# Altium PCB 6502_CPU_MainBoard_PCB_V1_2.PcbDoc (part 3 of 5) (continued)
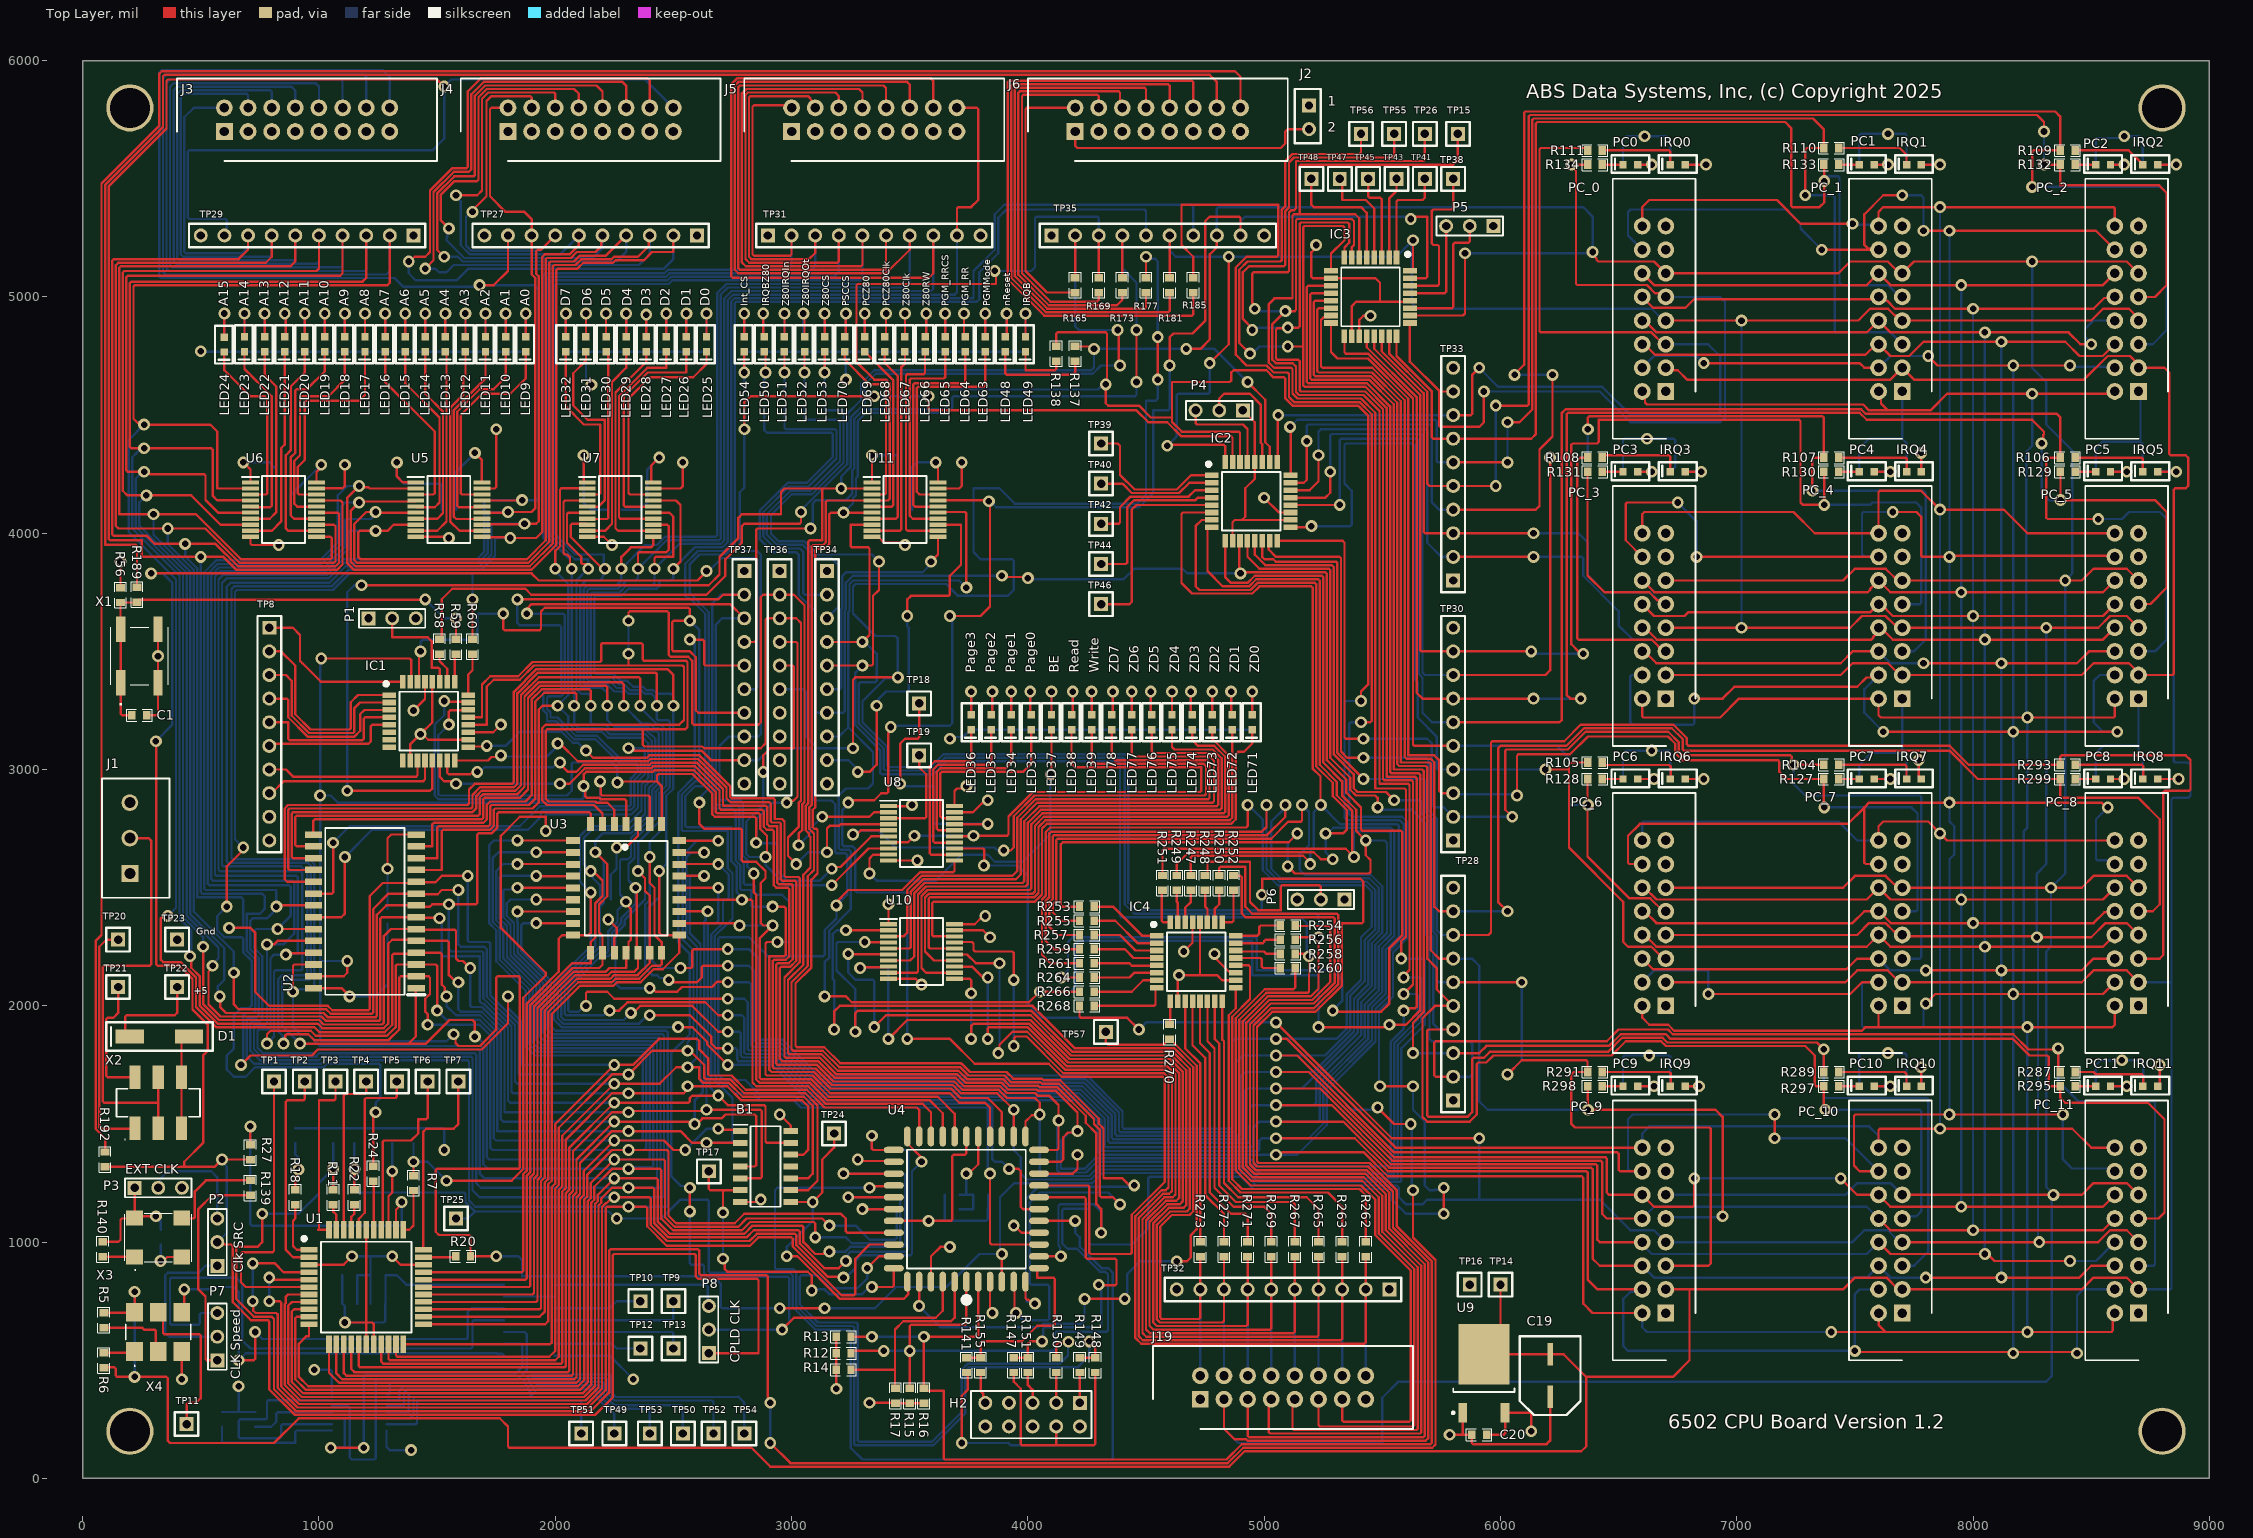
[diagram p0: Top Layer view]
## Nets (pads, with @x,y where several pads share a name; then routed paths per layer and width w, separated by ;. In a path a pad name is that pad's centre, name@x,y a point inside that pad or via, vN(x,y) a via of type N, cw(c..) or ccw(c..) an arc to the next point about the centre after c; other vN are vias at no path point) (continued)
  Bottom Layer w10: v1(2530,2160) 2440,2160 2395.61,2204.39 2395.61,2415.61 2440,2460 v1(2440,2570) 2470,2600 2470,2888.79 2500,2918.79 v1(2500,3270) 2500,3310 2490,3320 2430,3320 2414.39,3335.61 2385.61,3335.61 2371.21,3350 2330,3350 2305,3375 2276.21,3375 2245.61,3405.61 2171.46,3405.61 2165.61,3411.46 2165.61,3728.54 2171.46,3734.39 2279.39,3734.39 2310,3765 2429.14,3765 2440,3775.86 2440,3794.14 2445.86,3800 2490,3800 2500,3810 v1(2500,3850) 2590,3940 2706.57,3940 2730,3963.43 2730,4986.57 2753.43,5010 3690,5010 3700,5020 TP31.9@3700,5260 ; v1(2730,2240) 2820,2240 2860,2200 2860,1862.07 2865.86,1856.21 2962.28,1856.21 3113.49,1705 4249.85,1705 4400.61,1554.25 4400.61,1486.46 4406.46,1480.61 4858.28,1480.61 4864.14,1486.46 4864.14,1848.28 4875.86,1860 v1(5050,1860) 5306.36,1860 5350,1903.64 5350,2050 5410,2110 5410,2290 5455,2335 5455,2483.79 5428.79,2510 5057.57,2510 4993.79,2573.79 4993.79,2788.79 4932.57,2850 v1(4930,2850) ; PC_9.16@6600,1400 6600,1460 6630,1490 7560,1490 7599.57,1450.43 7599.57,1400.43 PC_10.16@7600,1400 ; PC_6.16@6600,2700 6600,2774.14 6605.86,2780 7430,2780 7510,2700 PC_7.16@7600,2700 ; v1(7490,5310) 7495,5305 7595,5305 PC_1.16@7600,5300 ; v1(7860,1480) v1(7860,2730) v1(7860,4100) v1(7860,5380)
External_System_Clock: P2.3 P3.2 | length 481.4
  Bottom Layer w10: P3.2@320,1230 326.49,1236.49 326.49,1266.49 360,1300 544.14,1300 570,1274.14 P2.3@570,1100
GND: B1.7 C1.1 C2.2 C3.2 C4.2 C5.2 C6.2 C7.2 C8.2 C9.2 C10.2 C11.2 C12.2 C13.2 C14.2 C15.2 C16.2 C17.2 C18.2 C19.2 C20.2 H2.2 H2.10 IC1.19 IC1.29 IC2.19 IC2.29 IC3.19 IC3.29 IC4.19 IC4.29 J1.1 J1.3 J3.1 J3.3 J3.5 J3.7 J3.9 J3.11 J3.13 J3.15 J4.1 J4.3 J4.5 J4.7 J4.9 J4.11 J4.13 J4.15 J5.1 J5.3 J5.5 J5.7 J5.9 J5.11 J5.13 J5.15 J6.3 J6.5 J6.7 J6.9 J6.11 J6.13 J6.15 J19.15 P1.3 P3.3 P4.3 P5.3 P6.3 PC_0.13 PC_0.15 PC_1.13 PC_1.15 PC_2.13 PC_2.15 PC_3.13 PC_3.15 PC_4.13 PC_4.15 PC_5.13 PC_5.15 PC_6.13 PC_6.15 PC_7.13 PC_7.15 PC_8.13 PC_8.15 PC_9.13 PC_9.15 PC_10.13 PC_10.15 PC_11.13 PC_11.15 R15.2 R16.2 R17.2 TP8.9 TP8.10 TP16.1 TP23.1 TP27.1 TP27.10 TP28.1 TP28.10 TP29.1 TP29.10 TP30.1 TP30.10 TP31.1 TP31.10 TP32.1 TP32.10 TP33.1 TP33.10 TP34.1 TP34.10 TP35.1 TP35.10 TP36.1 TP36.10 TP37.1 TP37.10 U1.17 U1.18 U1.39 U2.14 U3.16 U4.10 U4.22 U4.30 U4.42 U5.1 U5.10 U5.19 U6.1 U6.10 U6.19 U7.1 U7.10 U7.19 U8.1 U8.10 U8.19 U9.1 U10.1 U10.10 U10.19 U11.1 U11.10 U11.19 U12.7 U13.7 X1.3 X1.4 X3.2 X4.3 | length 11143.7
  Top Layer w10: C1.1@271.5,3230 312.88,3230 318.74,3235.86 X1.3@318.74,3366.81 v1(318.74,3480) X1.4@318.74,3593.19 ; v1(330,920) 340.82,920 358.15,937.32 X3.2@420,937.32 ; v1(420,420) X4.3@420,537.32 ; v1(680,4300) 680,4295.86 685.86,4290 690,4290 710.24,4269.76 U6.1@710.24,4215.16 ; U6.10@710.24,3984.84 710.24,3955.86 716.09,3950 v1(830,3950) ; U6.19@989.76,4189.57 990.2,4190 1100,4190 1110,4200 v1(1110,4290) ; v1(1110,660) 1200,660 ; U1.17@1200,567.87 1200,660 ; U1.39@1200,1052.13 1200,660 ; U1.18@1231.5,567.87 1231.5,654.14 1225.64,660 1200,660 ; v1(1290,2580) 1290,2709.14 1305.86,2725 U2.14@1411.71,2725 ; v1(1330,4300) 1330,4240 1354.84,4215.16 U5.1@1410.24,4215.16 ; v1(1400,3250) 1448.74,3298.74 IC1.29@1448.74,3371.85 ; U5.10@1410.24,3984.84 1545.16,3984.84 v1(1550,3980) ; IC1.19@1631.34,3157.76 1737.76,3157.76 v1(1770,3190) ; U5.19@1689.76,4189.57 1744.14,4189.57 1750,4195.42 v1(1750,4440) ; U7.10@2110.24,3984.84 U7.10@2135.24,3984.84 2205.16,3984.84 v1(2240,3950) ; U7.1@2110.24,4215.16 2116.14,4215.16 2120,4219.02 v1(2120,4330) ; v1(2224.64,2365.36) 2260,2330 2260,2299.18 2250,2289.18 U3.16@2250,2225 ; U7.19@2389.76,4189.57 U7.19@2414.76,4189.57 2529.57,4189.57 2540,4200 v1(2540,4300) ; B1.7@2783.23,1170 2849.18,1170 2859.18,1180 v1(2870,1180) ; v1(3280,1350) 3286.64,1343.36 3429.43,1343.36 U4.30@3432.79,1340 ; v1(3330,320) 3448.5,320 3450,318.5 R16.2@3560,318.5 ; v1(3340,4330) 3340.24,4329.76 U11.1@3340.24,4215.16 ; U11.10@3340.24,3984.84 3366.81,3984.84 3391.65,3960 3474.14,3960 3480,3954.14 v1(3480,3950) ; v1(3410,2430) 3410.24,2429.76 U10.1@3410.24,2345.16 ; U10.10@3410.24,2114.84 3525.16,2114.84 v1(3550,2090) ; U8.10@3410.24,2614.84 v1(3532.73,2614.84) ; U8.1@3410.24,2845.16 3505.16,2845.16 v1(3510,2850) ; U4.42@3590,832.8 3590,940 3630,980 v1(3670,980) ; U11.19@3619.76,4189.57 3709.57,4189.57 3720,4200 v1(3720,4300) ; U10.19@3689.76,2319.57 3810.43,2319.57 v1(3840,2290) ; U8.19@3689.76,2819.57 3767.85,2819.57 3805.86,2857.57 3806.75,2857.57 3819.18,2870 v1(3830,2870) ; v1(3740,1290) 3750,1290 3790,1330 U4.22@3790,1447.2 ; v1(3940,1070) 3943.64,1070 3973.64,1040 U4.10@4047.2,1040 ; v1(4660,2230) 4697.01,2267.01 IC4.29@4697.01,2353.7 ; P4.3@4710,4520 4710,4465.86 4715.86,4460 4910,4460 4929.25,4440.75 IC2.29@4929.25,4301.85 ; v1(4790,2220) 4790,2205.72 4849.3,2146.42 4872.8,2146.42 IC4.19@4879.61,2139.61 ; v1(5000,4150) 5062.24,4087.76 IC2.19@5111.85,4087.76 ; IC3.19@5402.76,4833.15 5402.76,4902.76 5420,4920 v1(5450,4920) ; IC3.29@5616.85,5015.75 5764.14,5015.75 5770,5021.61 P5.3@5770,5300 ; v1(5785,185) 5846.09,185 ; U9.1@5840.24,277.68 5840.24,190.86 5846.09,185 ; C19.2@6210,346 6210,160 6195.44,145.44 5884.36,145.44 5878.5,151.3 C20.2@5878.5,185 5846.09,185
  Bottom Layer w10: v1(330,920) C18.2@330,988.5 ; v1(680,4300) 790,4300 818.5,4271.5 C3.2@818.5,4100 ; v1(830,3950) v1@830,3960.82 ; v1(980,460) 1048.47,460 1054.33,454.14 U13.7@1054.33,356.77 ; C6.2@1098.5,860 C7.2@1098.5,800 C8.2@1098.5,740 1109.25,729.25 1109.25,660.75 v1(1110,660) 1274.14,660 1280,665.86 1280,738.5 C11.2@1281.5,740 C10.2@1281.5,800 C9.2@1281.5,860 1330,860 1370,820 U12.7@1783.23,820 ; C16.2@1290,2411.5 v1(1290,2580) ; v1(1330,4300) 1330,4240 1360,4210 1510,4210 1518.5,4201.5 C2.2@1518.5,4100 ; v1(2120,4330) 2120,4130 2150,4100 C4.2@2218.5,4100 ; v1(2224.64,2365.36) 2230,2370.71 C17.2@2230,2388.5 ; v1(3340,4330) 3442.65,4330 3448.5,4324.14 C5.2@3448.5,4100 ; C15.2@3711.5,1140 C13.2@3768.5,1140 C12.2@3768.5,1200 3740,1200 ; C14.2@3711.5,1200 3740,1200 ; v1(3740,1290) 3740,1200 ; v1(4660,2230) v1@4670,2220
Int_Cntrl_CS: IC2.31 R296.1 TP37.8 U4.25 | length 6525.2
  Top Layer w10: v1(2800.61,4440) 2800,4440.61 2800,4554.14 2825.86,4580 v1(3350,4580) ; v1(2840,2560) 2840,2480 2850,2470 2850,1689.64 2864.64,1675 3076.51,1675 3151.51,1600 3585.67,1600 3640,1545.67 U4.25@3640,1447.2 ; v1(3580,4580) 3580,4525.86 3585.86,4520 4460,4520 4510,4470 4590,4470 4650,4410 4860.4,4410 4866.26,4404.14 IC2.31@4866.26,4301.85
  Bottom Layer w10: v1@2800,4440 R296.1@2800,4528.5 ; v1(2800.61,4440) 2800.61,4193.12 2780.61,4173.12 2780.61,3937.07 2792.68,3925 2855,3925 2870,3910 2870,3150 2860,3140 TP37.8@2800,3140 2735.86,3140 2695,3099.14 2695,2875.86 2700.86,2870 2784.14,2870 2793.71,2860.43 2793.71,2636.29 2812.5,2617.5 2812.5,2589.07 2840,2561.57 v1(2840,2560) ; v1(3350,4580) v1(3580,4580)
INT_UPDI: IC2.27 P4.2 | length 498.1
  Top Layer w10: P4.2@4810,4520 4810,4570 4830,4590 4940,4590 4985,4545 4985,4383.79 4992.24,4376.54 IC2.27@4992.24,4301.85
IRQB: IC2.30 R3.1 R11.1 R138.1 TP37.4 | length 18078.8
  Top Layer w10: v1(760,1120) 760,1000 740,980 655.86,980 650,974.14 650,759.32 724.32,685 799.27,685 810.13,674.14 810.13,377.45 902.57,285 2150,285 2228.11,363.11 2228.11,964.14 2233.96,970 2604.14,970 2610,964.14 2610,865.86 2615.86,860 2894.14,860 2900,854.14 2900,345.86 v1@2902.35,343.51 ; R11.1@1060,1221.5 v1(1060,1310) ; TP37.4@2800,3540 2844.14,3540 2850,3545.86 2850,4014.14 2855.86,4020 v1(3080,4020) ; v1(2910,150) 2995,65 4846.21,65 4911.21,130 5711.21,130 5725,143.79 5725,925 5630,1020 v1(5630,1220) ; R138.1@4120,4791.5 4120,4844.14 4125.86,4850 4329.14,4850 4335,4844.14 4335,4635 v1(4330,4630) 4330,4550 4340,4540 4470,4540 4520,4490 4610,4490 ; IC2.30@4897.76,4301.85 4897.76,4424.14 4891.9,4430 4651.21,4430 4610,4471.21 4610,4490 ; v1(5410,3290) 5410,3330 5440,3360 5440,4497.57 5397.57,4540 5120,4540 5090,4570 5090,4653.79 5084.14,4659.64 5039.64,4659.64 5009.29,4690 4870,4690 4860,4680 4860,4645.86 4854.14,4640 4610,4640 4610,4490 ; v1(5480,1570) 5550,1500 v1(5620,1500)
  Bottom Layer w10: v1(760,1120) 914.14,1120 1000,1205.86 1000,1250 v1(1060,1310) R3.1@1060,1418.5 ; v1(2910,150) v1(2910,320) ; v1(3080,4020) 3087.65,4027.65 3087.65,4043.51 3090,4045.86 3090,4125.86 3104.14,4140 3230,4140 3257.5,4167.5 3257.5,4266.29 3265,4273.79 3265,4483.79 3306.21,4525 3645,4525 3660,4540 3660,4594.14 3674.06,4608.2 4297.38,4608.2 4319.18,4630 v1(4330,4630) ; v1(5410,3290) 5345.86,3290 5340,3284.14 5340,2795.86 5350.86,2785 5575,2785 5590,2770 5590,2292.57 5530,2232.57 5530,2045 5471.21,1986.21 5471.21,1848.79 5280.36,1657.93 5280.36,1649.64 5370,1560 5454.14,1560 5456.49,1562.35 5472.35,1562.35 v1(5480,1570) ; v1(5620,1500) 5625,1495 5625,1225 v1(5630,1220)
IRQB0: IC2.25 PC_0.5 R111.1 TP33.8 | length 4365
  Top Layer w10: IC2.25@5055.24,4301.85 5057.62,4304.23 5057.62,4497.62 v1(5060,4500) ; TP33.8@5800,4500 5874.14,4500 5880,4505.86 5880,4670 v1(5910,4700) ; R111.1@6368.5,5620 6358.5,5630 6170.86,5630 6165,5624.14 6165,4855.86 6170.86,4850 6638.68,4850 6688.68,4800 PC_0.5@6700,4800
  Bottom Layer w10: v1(5060,4500) TP33.8@5800,4500 ; v1(5910,4700) 5990,4620 6430,4620 6550,4500 6924.14,4500 6930,4505.86 6930,4748.79 6878.79,4800 PC_0.5@6700,4800
IRQB1: IC2.24 PC_1.5 R110.1 TP33.6 | length 5445.6
  Top Layer w10: v1(5110,4450) 5111.85,4448.15 IC2.24@5111.85,4245.24 ; TP33.6@5800,4300 v1(6030,4300) ; v1(6030,4470) 6080,4470 6135,4525 6135,5749.14 6140.86,5755 7322.01,5755 7368.5,5708.5 R110.1@7368.5,5630 7295.86,5630 7290,5624.14 v1(7290,5430)
  Bottom Layer w10: v1(5110,4450) 5140,4480 5724.14,4480 5730,4474.14 5730,4305.86 5735.86,4300 TP33.6@5800,4300 ; v1(6030,4300) v1(6030,4470) ; v1(7290,5430) 7408.28,5430 7414.14,5424.14 7414.14,4855.86 7420,4850 7650,4850 PC_1.5@7700,4800
IRQB2: IC2.23 PC_2.5 R109.1 TP33.4 | length 7495.6
  Top Layer w10: IC2.23@5111.85,4213.74 5167.88,4213.74 5180,4225.86 v1(5180,4390) ; TP33.4@5800,4100 6149.22,4100 6165,4115.78 6165,4355 6220,4410 v1(6220,4670) ; v1(6060,4670) 6060,4673.06 6100,4713.06 6100,5779.14 6105.86,5785 8347.65,5785 8368.5,5764.14 R109.1@8368.5,5620 8255.86,5620 8250,5614.14 v1(8250,5465.86)
  Bottom Layer w10: v1(5180,4390) 5180,4454.14 5185.86,4460 5704.14,4460 5710,4454.14 5710,4130 5740,4100 TP33.4@5800,4100 ; v1(6060,4670) v1(6220,4670) ; v1(8250,5465.86) 8794.14,5465.86 8820,5440 8820,4860 8760,4800 PC_2.5@8700,4800
IRQB3: IC2.22 PC_3.5 R108.1 TP33.2 | length 3761.9
  Top Layer w10: IC2.22@5111.85,4182.24 5192.24,4182.24 5230,4220 v1(5230,4330) ; TP33.2@5800,3900 v1(6140,3900) ; R108.1@6368.5,4320 6337.76,4320 6325,4307.24 6325,3555.86 6330.86,3550 6640,3550 6690,3500 PC_3.5@6700,3500
  Bottom Layer w10: v1(5230,4330) 5230,4430 5240,4440 5684.14,4440 5690,4434.14 5690,3960 5750,3900 TP33.2@5800,3900 ; v1(6140,3900) 6344.14,3900 6350,3894.14 6350,3820 6500,3670 6500,3610 6560,3550 6640,3550 6690,3500 PC_3.5@6700,3500
IRQB4: IC2.21 PC_4.5 R107.1 TP30.8 | length 6180.2
  Top Layer w10: IC2.21@5111.85,4150.75 5259.25,4150.75 5280,4171.5 v1(5280,4260) ; TP30.8@5800,3400 6190,3400 6210,3420 6210,4319.14 v1(6209.14,4320) ; v1(6370,4440) 6370,4489.14 6375.86,4495 7362.65,4495 7368.5,4489.14 R107.1@7368.5,4320 7325.86,4320 7320,4314.14 v1(7320,4180)
  Bottom Layer w10: v1(5280,4260) 5280,4414.14 5285.86,4420 5664.14,4420 5670,4414.14 5670,3410 5680,3400 TP30.8@5800,3400 ; v1(6209.14,4320) 6364.14,4320 6370,4325.86 v1(6370,4440) ; v1(7320,4180) 7790,4180 7800,4170 7800,3550 7750.43,3500.43 7700.43,3500.43 PC_4.5@7700,3500
IRQB5: IC2.20 PC_5.5 R106.1 TP30.6 | length 7703.6
  Top Layer w10: IC2.20@5111.85,4119.25 5112.22,4119.63 5319.63,4119.63 v1(5320,4120) ; TP30.6@5800,3200 6250,3200 6260,3210 6260,4509.14 6275.86,4525 7526.21,4525 7546.21,4505 7940.36,4505 8355,4505 8368.5,4491.5 R106.1@8368.5,4320 8315.86,4320 8310,4314.14 8310,4065.86 8315.86,4060 v1(8530,4060)
  Bottom Layer w10: v1(5320,4120) 5320,4394.14 5325.86,4400 5649.14,4400 5655,4394.14 5655,3403.79 5670,3388.79 5670,3240 5710,3200 TP30.6@5800,3200 TP30.6@5809.39,3209.39 ; v1(8530,4060) 8630,4060 8660,4090 8790,4090 8820,4060 8820,3550 8770,3500 PC_5.5@8700,3500
IRQB6: IC2.17 PC_6.5 R105.1 TP30.4 | length 4020.8
  Top Layer w10: IC2.17@5111.85,4024.76 5194.76,4024.76 v1(5200,4030) ; v1(6190,3000) 6290,3000 ; R105.1@6368.5,3030 6300,3030 6290,3020 6290,3000 ; PC_6.5@6700,2200 6688.79,2200 6638.79,2250 6540,2250 6520,2270 6520,2440 6290,2670 6290,3000
  Bottom Layer w10: v1(5200,4030) 5364.14,4030 5370,4035.86 5370,4180 5340,4210 5340,4374.14 5345.86,4380 5630,4380 5640,4370 5640,3380 5650,3370 5650,3220 5730,3140 5730,3005.86 5735.86,3000 v1(6190,3000)
IRQB7: IC2.16 PC_7.5 R104.1 TP30.2 | length 5288.1
  Top Layer w10: IC2.16@5055.24,3968.15 5331.85,3968.15 5340,3960 5340,3135.86 5345.86,3130 v1(5420,3130) ; v1(6050,2800) 6020,2830 6020,3079.14 6025.86,3085 6285,3085 6360,3160 6710,3160 6755,3115 6755,3076.21 6771.21,3060 7226.49,3060 7232.35,3054.14 7232.35,3027.65 v1(7240,3020) R104.1@7368.5,3020
  Bottom Layer w10: v1(5420,3130) 5690,3130 5710,3110 5710,2850 5720,2840 5760,2840 TP30.2@5800,2800 6040,2800 6040.86,2800.86 6049.14,2800.86 v1(6050,2800) ; v1(7240,3020) 7240,2940 7290,2890 7774.14,2890 7780,2884.14 7780,2205.86 7774.14,2200 PC_7.5@7700,2200
IRQB8: IC2.15 PC_8.5 R293.1 TP28.8 | length 7508.9
  Top Layer w10: IC2.15@5023.74,3968.15 5020,3964.41 5020,3930 5050,3900 5319.14,3900 5325,3894.14 5325,3076.21 5351.21,3050 v1(5420,3050) ; TP28.8@5800,2300 5950,2300 5960,2310 5960,3114.14 5965.86,3120 6270,3120 6340,3190 6731.21,3190 6788.11,3133.11 6788.11,3107.5 6795.61,3100 7901.21,3100 7981.21,3020 R293.1@8368.5,3020 8368.5,3054.14 8374.36,3060 8900,3060 8920,3040 8920,2915.86 8914.14,2910 8810.86,2910 8805,2904.14 8805,2215 8790,2200 PC_8.5@8700,2200
  Bottom Layer w10: v1(5420,3050) 5685,3050 5695,3040 5695,2827.43 5730,2792.43 5730,2321.21 5751.21,2300 TP28.8@5800,2300
IRQB9: IC2.14 PC_9.5 R291.1 TP28.6 | length 5317.7
  Top Layer w10: IC2.14@4992.24,3968.15 4992.24,3898.97 5001.21,3890 5038.79,3890 5048.79,3880 5304.14,3880 5310,3874.14 5310,3070 v1(5420,2960) ; TP28.6@5800,2100 v1(6090,2100) ; v1(6030,1710) 6090,1770 6362.65,1770 6368.5,1764.14 R291.1@6368.5,1720 6310,1720 6300,1710 6300,1500 6315,1485 6884.14,1485 6890,1479.14 6890,910 6880,900 PC_9.5@6700,900
  Bottom Layer w10: v1(5420,2960) 5674.14,2960 5680,2954.14 5680,2821.21 5715,2786.21 5715,2315 5730,2300 5730,2110 5740,2100 TP28.6@5800,2100 ; v1(6030,1710) 6090,1770 v1(6090,2100)
IRQB10: IC2.13 PC_10.5 R289.1 TP28.4 | length 6714.2
  Top Layer w10: IC2.13@4960.75,3968.15 4960.75,3909.25 5005,3865 5286.21,3865 5295,3856.21 5295,3063.79 5379.39,2979.39 5379.39,2920.61 5395,2905 5515,2905 v1(5550,2870) ; TP28.4@5800,1900 5695.86,1900 5690,1894.14 5690,1535.86 5695.86,1530 5860,1530 5880,1550 5880,1774.14 5885.86,1780 5930,1780 5955,1805 6455,1805 6515,1865 6686.21,1865 6706.21,1845 7340,1845 v1(7368.5,1816.5) R289.1@7368.5,1720
  Bottom Layer w10: v1(5550,2870) 5659.14,2870 5665,2864.14 5665,2815 5700,2780 5700,2308.79 5715,2293.79 5715,1925 5740,1900 TP28.4@5800,1900 ; v1(7368.5,1816.5) 7368.5,1615.86 7374.36,1610 7804.14,1610 7810,1604.14 7810,960 7750.43,900.43 7700.43,900.43 PC_10.5@7700,900
IRQB11: IC2.12 PC_11.5 R287.1 TP28.2 | length 7499.2
  Top Layer w10: IC2.12@4929.25,3968.15 4929.25,3900.75 4980,3850 5274.14,3850 5280,3844.14 5280,3050 5364.39,2965.61 5364.39,2914.39 5388.79,2890 5470,2890 5480,2880 v1@5480,2835 ; TP28.2@5800,1700 5725.86,1700 5720,1705.86 5720,1844.14 5725.86,1850 6450,1850 6500,1900 6708.79,1900 6728.79,1880 8170,1880 8235,1815 8355,1815 v1(8360,1820) 8360,1728.5 R287.1@8368.5,1720
  Bottom Layer w10: v1@5480,2835 5485,2830 5625,2830 5685,2770 5685,2302.57 5700,2287.57 5700,1860 5710,1850 5870,1850 5880,1840 5880,1710 5870,1700 TP28.2@5800,1700 ; v1(8360,1820) 8360,1681.72 8445.86,1595.86 8764.14,1595.86 8770,1590 8770,905.86 8764.14,900 PC_11.5@8700,900
  other v1: 5480,2840
IRQBZ80: IC2.11 R264.1 R288.1 TP34.7 | length 8832.8
  Top Layer w10: v1(3890,3820) 3895,3815 3995,3815 v1(4000,3810) ; v1(4140,2120) R264.1@4218.5,2120 ; IC2.11@4897.76,3968.15 4893.88,3964.27 4893.88,3836.12 v1(4900,3830) 4905,3835 5259.14,3835 5265,3829.14 5265,3040 5347.8,2957.2 5347.8,2902.2 5410,2840 5410,2746.46 5415.86,2740.61 5579.14,2740.61 5585,2734.75 5585,2300 5530,2245 5530,2010 5495,1975 5295,1975 v1(5290,1980)
  Bottom Layer w10: R288.1@2885,4528.5 2885,4435.86 2895.86,4425 3169.14,4425 3175,4419.14 3175,4323.79 3064.11,4212.89 2982.89,4212.89 2865,4095 2865,3975 2920,3920 3020,3920 3030,3910 3030,3740 3100,3670 3100,3290 3100,3250 3110,3240 TP34.7@3150,3240 3219.14,3240 3225,3245.86 3225,3672.57 3230,3677.57 3230,3790.36 3259.64,3820 v1(3890,3820) ; v1(4000,3810) 4005,3805 4405,3805 4450,3850 4654.59,3850 4674.59,3830 v1(4900,3830) ; v1(4140,2120) 4170,2150 4170,2270 4190,2290 4964.14,2290 4967.93,2286.21 4967.93,2150 5290,2150 5330,2110 5330,2020 v1(5290,1980)
JLink_Mode: R13.2 R16.1 R177.1 TP36.6 U4.2 | length 14853.2
  Top Layer w10: R13.2@3251.5,600 v1(3340,600) ; v1(3260,3090) 3260,3380 3270,3390 v1(3450,3390) ; R16.1@3560,381.5 3570.75,370.75 3644.14,370.75 3644.14,85.86 3650,80 4840,80 4905,145 5704.14,145 5710,150.86 5710,918.79 5560.61,1068.18 5560.61,1220.61 5446.21,1335 4975.86,1335 4970,1340.86 4970,1910 5035,1975 5217.43,1975 5329.14,2086.72 5329.14,2350 5414.14,2350 5420,2355.86 5420,2525 5407.5,2537.5 4992.5,2537.5 4992.5,2472.5 v1(4990,2470) ; R16.1@3560,386.58 v1(3560,600) 3784.14,600 3790,605.86 U4.2@3790,832.8 ; R177.1@4500,5081.5 v1(4500,5170) ; v1(4550,4650) v1(4550,4830)
  Bottom Layer w10: TP36.6@2950,3340 3050,3340 3060,3330 3060,3140 3110,3090 v1(3260,3090) ; v1@3344.7,607.65 3352.35,600 v1(3560,600) 3560,610 v1@3550,610 ; v1(4500,5170) 4507.65,5162.35 4537.65,5162.35 4550,5150 v1(4550,4830) ; v1(4550,4650) 4550,4570 4540,4560 4500,4560 4500,4161.21 4463.79,4125 3945,4125 3880,4190 3770,4190 3770,3920 3800,3890 3934.14,3890 3940,3884.14 3940,3760 3915,3735 3705,3735 3655,3785 3270,3785 3260,3775 3260,3660 3355,3565 3439.14,3565 3450,3554.14 v1(3450,3390) 3445,3385 3396.21,3385 3300,3288.79 3300,3200 3405,3095 3405,3016.89 3410.86,3011.04 3588.61,3011.04 3642.57,3065 4410.36,3065 4412.25,3063.11 4416.04,3063.11 4425,3054.14 4425,2436.21 4456.21,2405 4984.14,2405 4990,2410.86 v1(4990,2470)
nCPUReset: R24.1 R60.2 | length 4689.2
  Top Layer w10: v1(610,2420) 610,2590 680,2660 v1(680,2670) ; R24.1@1230,1321.5 1230,1540 v1(1240,1550) ; R60.2@1650,3551.5 v1(1650,3720)
  Bottom Layer w10: v1(610,2420) 570,2380 570,2320 600,2290 674.14,2290 680,2284.14 680,2226.36 715,2191.36 715,2000.86 704.14,1990 670,1990 640,1960 640,1820 610,1790 610,1730 640,1700 690,1700 730,1740 1019.57,1740 1034.57,1755 1254.14,1755 1260,1749.14 1260,1610 1240,1590 v1(1240,1550) ; v1(680,2670) 645,2705 645,3752.07 652.93,3760 1060,3760 1130,3830 1644.14,3830 1650,3824.14 v1(1650,3720)
NetD1_2: D1.2 X2.3 X2.4 | length 405.2
  Top Layer w10: X2.3@418.42,1481.73 X2.4@418.42,1698.27 418.42,1845 443.42,1870 D1.2@450,1870
NetH2_1: H2.1 R149.2 | length 128.5
  Top Layer w10: H2.1@4220,320 R149.2@4220,448.5
NetH2_3: H2.3 R150.2 | length 128.5
  Top Layer w10: H2.3@4120,320 R150.2@4120,448.5
NetH2_5: H2.5 R151.2 | length 136.8
  Top Layer w10: R151.2@4000,448.5 4000,395 4020,375 H2.5@4020,320
NetH2_9: H2.9 R155.2 | length 136.8
  Top Layer w10: R155.2@3800,448.5 3800,370 3810.61,359.39 3810.61,329.39 H2.9@3820,320
NetIC1_24: IC1.24 R60.1 | length 181
  Top Layer w10: IC1.24@1631.34,3315.24 1631.34,3401.34 1650,3420 R60.1@1650,3488.5
NetIC1_25: IC1.25 R59.1 | length 118.8
  Top Layer w10: IC1.25@1574.72,3371.85 1574.72,3483.23 R59.1@1580,3488.5
NetIC1_26: IC1.26 R58.1 | length 130.4
  Top Layer w10: R58.1@1510,3488.5 1510,3460 1543.23,3426.77 IC1.26@1543.23,3371.85
NetIC2_1: IC2.1 TP39.1 | length 645.9
  Top Layer w10: TP39.1@4310,4380 4380,4380 4390,4370 4390,4247.07 4452.07,4185 4630,4185 4690.24,4245.24 IC2.1@4778.15,4245.24
NetIC2_2: IC2.2 TP40.1 | length 502.8
  Top Layer w10: TP40.1@4310,4210 4400,4210 4440,4170 4640,4170 4683.74,4213.74 IC2.2@4778.15,4213.74
NetIC2_3: IC2.3 TP42.1 | length 564.6
  Top Layer w10: TP42.1@4310,4040 4384.14,4040 4390,4045.86 4390,4110 4435,4155 4680.45,4155 4707.7,4182.24 IC2.3@4778.15,4182.24
NetIC2_4: IC2.4 TP44.1 | length 721.6
  Top Layer w10: TP44.1@4310,3870 4414.14,3870 4420,3875.86 4420,4110 4450,4140 4709.25,4140 4720,4150.75 IC2.4@4778.15,4150.75
NetIC2_5: IC2.5 TP46.1 | length 870.3
  Top Layer w10: TP46.1@4310,3700 4430,3700 4440,3710 4440,4100 4459.25,4119.25 IC2.5@4778.15,4119.25
NetIC3_1: IC3.1 TP41.1 | length 444
  Top Layer w10: IC3.1@5560.24,5166.85 5560,5167.09 5560,5404.14 5565.86,5410 5670,5410 5680,5420 TP41.1@5680,5500
NetIC3_2: IC3.2 TP43.1 | length 346.1
  Top Layer w10: IC3.2@5528.74,5166.85 5528.74,5416.48 5560,5447.74 TP43.1@5560,5500
NetIC3_3: IC3.3 TP45.1 | length 383.5
  Top Layer w10: TP45.1@5440,5500 5440,5425.86 5445.86,5420 5491.39,5420 5497.24,5414.14 IC3.3@5497.24,5166.85
NetIC3_4: IC3.4 TP47.1 | length 452.1
  Top Layer w10: TP47.1@5320,5500 5330,5490 5330,5410 5430,5410 5465.75,5374.25 IC3.4@5465.75,5166.85
NetIC3_5: IC3.5 TP48.1 | length 547.3
  Top Layer w10: TP48.1@5200,5500 5200,5390 5210,5380 5410,5380 5434.25,5355.75 IC3.5@5434.25,5166.85
NetIC3_30: IC3.30 TP38.1 | length 678.7
  Top Layer w10: IC3.30@5616.85,5047.24 5734.14,5047.24 5740,5053.1 5740,5214.14 5734.14,5220 5715.86,5220 5710,5225.86 5710,5364.14 5715.86,5370 5794.14,5370 5800,5375.86 TP38.1@5800,5500
NetIC4_1: IC4.1 R253.2 | length 315.3
  Top Layer w10: R253.2@4281.5,2420 4360,2420 4482.91,2297.09 IC4.1@4545.91,2297.09
NetIC4_2: IC4.2 R255.2 | length 303.5
  Top Layer w10: R255.2@4281.5,2360 4370,2360 4464.41,2265.59 IC4.2@4545.91,2265.59
NetIC4_3: IC4.3 R257.2 | length 291.7
  Top Layer w10: R257.2@4281.5,2300 4390,2300 4455.91,2234.09 IC4.3@4545.91,2234.09
NetIC4_4: IC4.4 R259.2 | length 279.9
  Top Layer w10: R259.2@4281.5,2240 4410,2240 4447.4,2202.6 IC4.4@4545.91,2202.6
NetIC4_5: IC4.5 R261.2 | length 269
  Top Layer w10: R261.2@4281.5,2180 4430,2180 4440,2170 4544.8,2170 IC4.5@4545.91,2171.1
NetIC4_6: IC4.6 R264.2 | length 272.5
  Top Layer w10: R264.2@4281.5,2120 4430,2120 4449.61,2139.61 IC4.6@4545.91,2139.61
NetIC4_7: IC4.7 R266.2 | length 284.3
  Top Layer w10: R266.2@4281.5,2060 4440,2060 4488.11,2108.11 IC4.7@4545.91,2108.11
NetIC4_8: IC4.8 R268.2 | length 334.1
  Top Layer w10: R268.2@4281.5,2000 4534.14,2000 4540,2005.86 4540,2070.71 IC4.8@4545.91,2076.61
NetIC4_9: IC4.9 R270.2 | length 99.5
  Top Layer w10: R270.2@4600,1921.5 4602.52,1924.02 IC4.9@4602.52,2020
NetIC4_11: IC4.11 R273.1 | length 1045.2
  Top Layer w10: IC4.11@4665.51,2020 4665.51,1820.76 4730,1756.27 R273.1@4730,1001.5
NetIC4_12: IC4.12 R272.1 | length 1073.6
  Top Layer w10: IC4.12@4697.01,2020 4697.01,1832.99 4750,1780 4750,1200 4830,1120 R272.1@4830,1001.5
NetIC4_13: IC4.13 R271.1 | length 1137.1
  Top Layer w10: IC4.13@4728.5,2020 4728.5,1841.5 4770,1800 4770,1210 4860,1120 4920,1120 4930,1110 R271.1@4930,1001.5
NetIC4_14: IC4.14 R269.1 | length 1206.5
  Top Layer w10: IC4.14@4760,2020 4760,1850 4790,1820 4790,1230 4870,1150 5000,1150 5030,1120 R269.1@5030,1001.5
NetIC4_15: IC4.15 R267.1 | length 1299.3
  Top Layer w10: IC4.15@4791.5,2020 4791.5,1858.5 4810,1840 4810,1240 4880,1170 5120,1170 5130,1160 R267.1@5130,1001.5
NetIC4_16: IC4.16 R265.1 | length 1357
  Top Layer w10: IC4.16@4822.99,2020 4822.99,1857.01 4830,1850 4830,1250 4890,1190 5180,1190 5230,1140 R265.1@5230,1001.5
NetIC4_17: IC4.17 R263.1 | length 1502.9
  Top Layer w10: IC4.17@4879.61,2076.61 4879.61,1989.61 4850,1960 4850,1260 4900,1210 5270,1210 5330,1150 R263.1@5330,1001.5
NetIC4_20: IC4.20 R262.1 | length 1783.1
  Top Layer w10: IC4.20@4879.61,2171.1 4934.14,2171.1 4940,2165.24 4940,2028.49 4865,1953.49 4865,1266.21 4906.21,1225 5403.79,1225 5430,1198.79 R262.1@5430,1001.5
NetIC4_21: IC4.21 R260.1 | length 224.6
  Top Layer w10: IC4.21@4879.61,2202.6 4984.14,2202.6 4990,2196.74 4990,2165.86 4995.86,2160 R260.1@5068.5,2160
NetIC4_22: IC4.22 R258.1 | length 194.7
  Top Layer w10: IC4.22@4879.61,2234.09 4883.7,2230 5000,2230 5010,2220 R258.1@5068.5,2220
NetIC4_23: IC4.23 R256.1 | length 196.4
  Top Layer w10: IC4.23@4879.61,2265.59 4994.14,2265.59 5000,2271.45 5000,2274.14 5005.86,2280 R256.1@5068.5,2280
NetIC4_24: IC4.24 R254.1 | length 223.2
  Top Layer w10: IC4.24@4879.61,2297.09 4971.23,2297.09 4980,2305.86 4980,2334.14 4985.86,2340 R254.1@5068.5,2340